# KiCad board pi40_v1.1.kicad_pcb (continued)
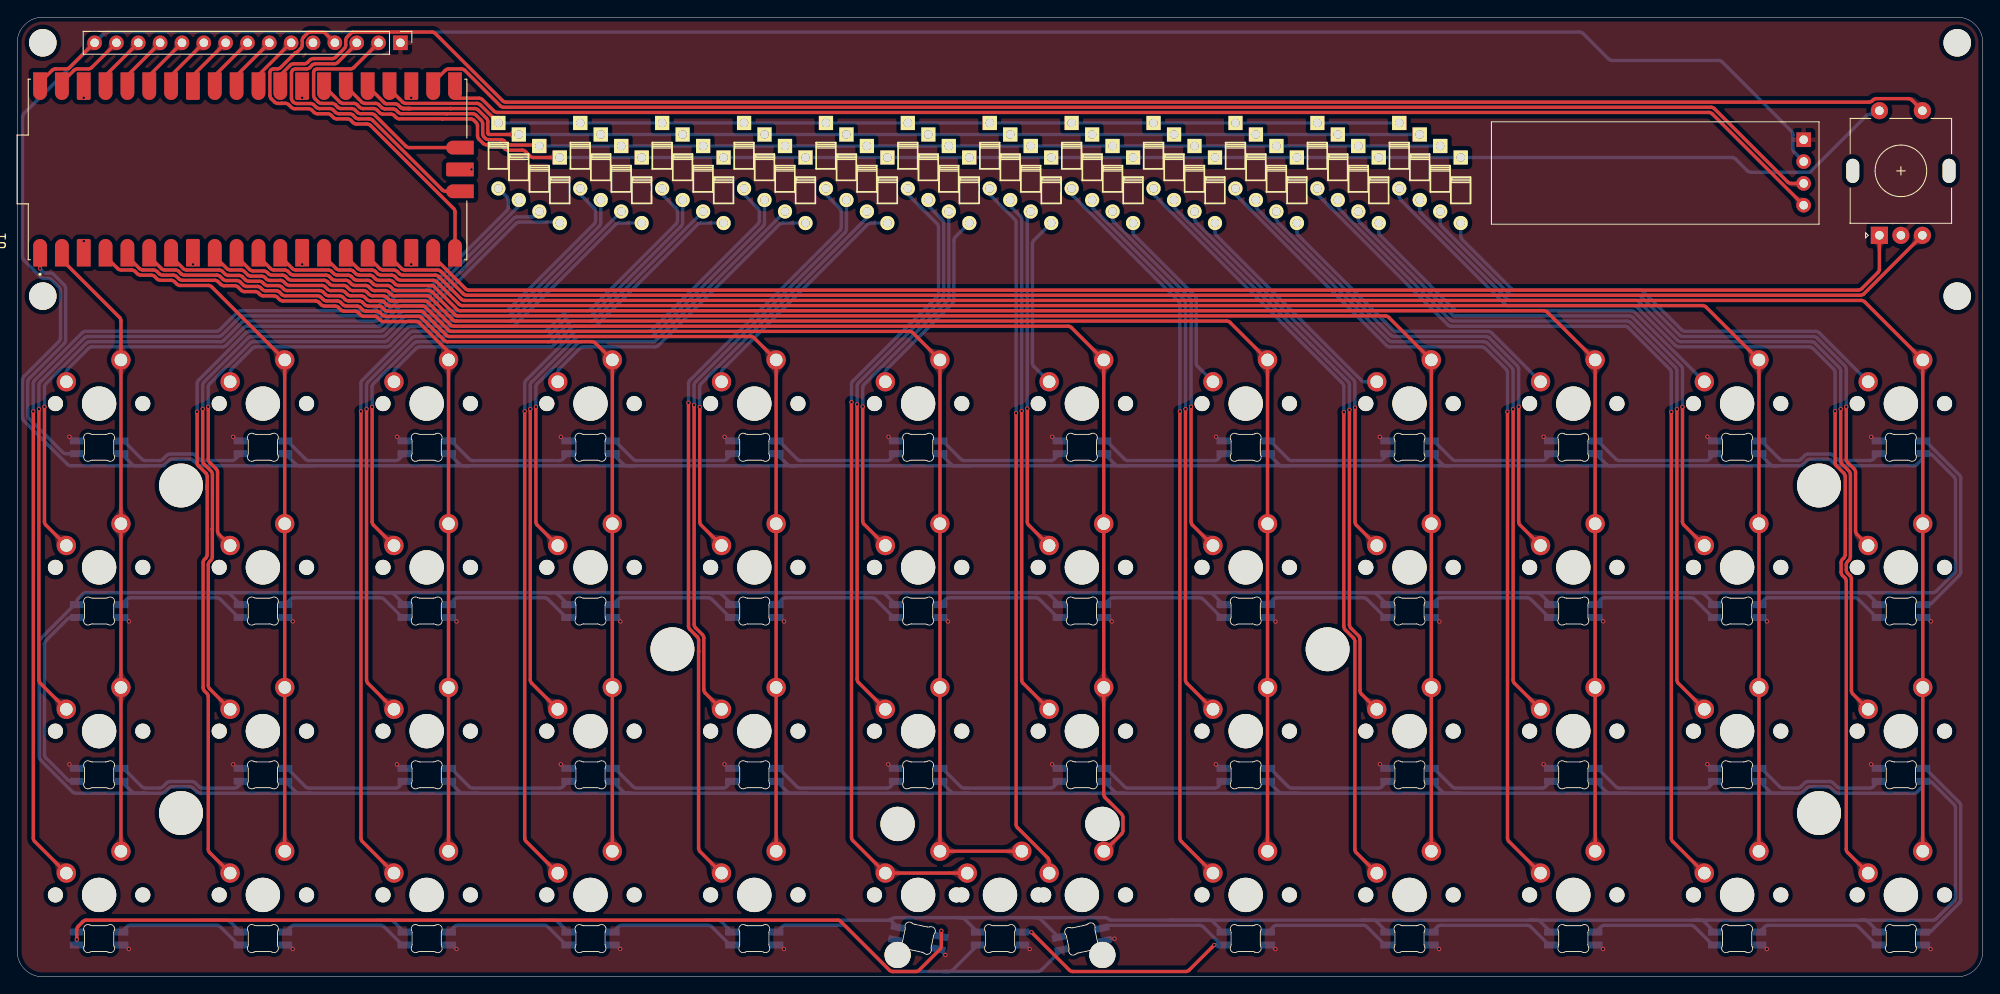
[diagram p0: board, top side]
## Routing (per net, layer and track width the routed paths; a pad name or vN(x,y) marks a point on that pad's centre or on a via; arc(x,y) is an arc through that point) (continued)
C0: length 71.6
  Top w0.4: 5.2,83.41 11.91,76.7 arc(12.02,76.52) 12.06,76.32 K1.2 K13.2 K25.2 K37.2
C1: length 82.8
  Top w0.4: K38.2 K2.2 22.61,80.26 arc(22.44,80.38) 22.23,80.42 18.95,80.42 arc(18.74,80.46) 18.57,80.58 18.29,80.86 arc(18.11,80.97) 17.9,81.02 16.66,81.02 arc(16.45,81.06) 16.28,81.18 15.99,81.46 arc(15.82,81.57) 15.61,81.62 14.37,81.62 arc(14.16,81.66) 13.98,81.78 13.7,82.06 arc(13.53,82.17) 13.32,82.22 12.08,82.22 arc(11.87,82.26) 11.69,82.37 10.28,83.79
C2: length 98.6
  Top w0.4: K3.2 K39.2 ; 12.82,83.79 14.23,82.37 arc(14.41,82.26) 14.62,82.22 15.86,82.22 arc(16.07,82.17) 16.24,82.06 16.52,81.78 arc(16.7,81.66) 16.91,81.62 18.15,81.62 arc(18.36,81.57) 18.53,81.46 18.82,81.18 arc(18.99,81.06) 19.2,81.02 22.98,81.02 arc(23.19,80.97) 23.37,80.86 23.68,80.55 arc(23.85,80.43) 24.06,80.39 25.3,80.39 arc(25.51,80.35) 25.69,80.23 26.05,79.86 arc(26.23,79.75) 26.44,79.7 27.68,79.7 arc(27.89,79.66) 28.06,79.54 28.24,79.36 arc(28.42,79.25) 28.63,79.2 29.87,79.2 arc(30.08,79.16) 30.25,79.04 30.52,78.78 arc(30.7,78.66) 30.91,78.62 34.69,78.62 arc(34.9,78.58) 35.07,78.46 35.35,78.18 arc(35.53,78.06) 35.74,78.02 36.98,78.02 arc(37.19,77.98) 37.36,77.86 37.65,77.58 arc(37.82,77.46) 38.03,77.42 39.27,77.42 arc(39.48,77.38) 39.66,77.26 39.94,76.98 arc(40.11,76.86) 40.32,76.82 41.56,76.82 arc(41.77,76.78) 41.95,76.66 42.23,76.38 arc(42.41,76.26) 42.61,76.22 46.39,76.22 arc(46.6,76.18) 46.78,76.06 50.16,72.68
C3: length 115.5
  Top w0.4: K40.2 K4.2 67.25,73.72 arc(67.07,73.84) 66.87,73.88 50.03,73.88 arc(49.83,73.92) 49.65,74.04 47.03,76.66 arc(46.85,76.78) 46.64,76.82 42.86,76.82 arc(42.65,76.86) 42.48,76.98 42.2,77.26 arc(42.02,77.38) 41.81,77.42 40.57,77.42 arc(40.36,77.46) 40.19,77.58 39.9,77.86 arc(39.73,77.98) 39.52,78.02 38.28,78.02 arc(38.07,78.06) 37.89,78.18 37.61,78.46 arc(37.44,78.58) 37.23,78.62 35.99,78.62 arc(35.78,78.66) 35.6,78.78 35.32,79.06 arc(35.14,79.18) 34.94,79.22 31.16,79.22 arc(30.95,79.26) 30.77,79.38 30.5,79.64 arc(30.33,79.76) 30.12,79.8 28.88,79.8 arc(28.67,79.85) 28.49,79.96 28.31,80.14 arc(28.13,80.26) 27.93,80.3 26.69,80.3 arc(26.48,80.34) 26.3,80.46 25.94,80.83 arc(25.76,80.95) 25.55,80.99 24.31,80.99 arc(24.1,81.03) 23.92,81.15 23.61,81.46 arc(23.44,81.57) 23.23,81.62 19.45,81.62 arc(19.24,81.66) 19.06,81.78 18.78,82.06 arc(18.61,82.17) 18.4,82.22 17.16,82.22 arc(16.95,82.26) 16.77,82.37 15.36,83.79
C4: length 132
  Top w0.4: K41.2 K5.2 85.7,74.32 arc(85.52,74.44) 85.32,74.48 50.28,74.48 arc(50.08,74.52) 49.9,74.64 47.28,77.26 arc(47.1,77.38) 46.89,77.42 43.11,77.42 arc(42.9,77.46) 42.73,77.58 42.44,77.86 arc(42.27,77.98) 42.06,78.02 40.82,78.02 arc(40.61,78.06) 40.43,78.18 40.15,78.46 arc(39.98,78.58) 39.77,78.62 38.53,78.62 arc(38.32,78.66) 38.14,78.78 37.86,79.06 arc(37.68,79.18) 37.48,79.22 36.24,79.22 arc(36.03,79.26) 35.85,79.38 35.57,79.66 arc(35.39,79.78) 35.18,79.82 31.4,79.82 arc(31.2,79.86) 31.02,79.98 30.75,80.24 arc(30.57,80.36) 30.37,80.4 29.13,80.4 arc(28.92,80.44) 28.74,80.56 28.56,80.74 arc(28.38,80.86) 28.17,80.9 26.93,80.9 arc(26.73,80.94) 26.55,81.06 26.18,81.43 arc(26.01,81.55) 25.8,81.59 24.56,81.59 arc(24.35,81.63) 24.17,81.75 23.86,82.06 arc(23.69,82.17) 23.48,82.22 19.7,82.22 arc(19.49,82.26) 19.31,82.37 17.9,83.79
C5: length 155.6
  Top w0.4: K49.2 K42.2 K6.2 104.15,74.92 arc(103.97,75.04) 103.77,75.08 50.53,75.08 arc(50.32,75.12) 50.15,75.24 47.52,77.86 arc(47.35,77.98) 47.14,78.02 43.36,78.02 arc(43.15,78.06) 42.97,78.18 42.69,78.46 arc(42.52,78.58) 42.31,78.62 41.07,78.62 arc(40.86,78.66) 40.68,78.78 40.4,79.06 arc(40.22,79.18) 40.02,79.22 38.78,79.22 arc(38.57,79.26) 38.39,79.38 38.11,79.66 arc(37.93,79.78) 37.72,79.82 36.48,79.82 arc(36.28,79.86) 36.1,79.98 35.82,80.26 arc(35.64,80.38) 35.43,80.42 31.65,80.42 arc(31.44,80.46) 31.27,80.58 31,80.84 arc(30.82,80.96) 30.61,81 29.37,81 arc(29.17,81.04) 28.99,81.16 28.81,81.34 arc(28.63,81.46) 28.42,81.5 27.18,81.5 arc(26.97,81.54) 26.8,81.66 26.4,82.06 arc(26.23,82.17) 26.02,82.22 24.78,82.22 arc(24.57,82.26) 24.39,82.37 22.98,83.79
C6: length 164.4
  Top w0.4: 25.52,83.79 27.05,82.26 arc(27.22,82.14) 27.43,82.1 28.67,82.1 arc(28.88,82.06) 29.06,81.94 29.22,81.78 arc(29.4,81.66) 29.61,81.62 30.85,81.62 arc(31.06,81.57) 31.23,81.46 31.52,81.18 arc(31.69,81.06) 31.9,81.02 35.68,81.02 arc(35.89,80.97) 36.07,80.86 36.35,80.58 arc(36.52,80.46) 36.73,80.42 37.97,80.42 arc(38.18,80.38) 38.36,80.26 38.64,79.98 arc(38.82,79.86) 39.02,79.82 40.26,79.82 arc(40.47,79.78) 40.65,79.66 40.93,79.38 arc(41.11,79.26) 41.32,79.22 42.56,79.22 arc(42.76,79.18) 42.94,79.06 43.22,78.78 arc(43.4,78.66) 43.61,78.62 47.39,78.62 arc(47.6,78.58) 47.77,78.46 50.4,75.84 arc(50.57,75.72) 50.78,75.68 122.22,75.68 arc(122.42,75.64) 122.6,75.52 K7.2 K31.2 126.36,21.23 arc(126.41,21.02) 126.52,20.85 128.44,18.93 arc(128.56,18.75) 128.6,18.55 128.6,17.01 arc(128.56,16.81) 128.44,16.63 126.41,14.6
C7: length 179.2
  Top w0.4: 28.06,83.79 29.47,82.37 arc(29.65,82.26) 29.86,82.22 31.1,82.22 arc(31.31,82.17) 31.48,82.06 31.76,81.78 arc(31.94,81.66) 32.15,81.62 35.93,81.62 arc(36.14,81.57) 36.31,81.46 36.6,81.18 arc(36.77,81.06) 36.98,81.02 38.22,81.02 arc(38.43,80.97) 38.61,80.86 38.89,80.58 arc(39.06,80.46) 39.27,80.42 40.51,80.42 arc(40.72,80.38) 40.9,80.26 41.18,79.98 arc(41.36,79.86) 41.56,79.82 42.8,79.82 arc(43.01,79.78) 43.19,79.66 43.47,79.38 arc(43.65,79.26) 43.86,79.22 47.64,79.22 arc(47.84,79.18) 48.02,79.06 50.64,76.44 arc(50.82,76.32) 51.03,76.28 140.67,76.28 arc(140.87,76.24) 141.05,76.12 K8.2 K44.2
C8: length 195.7
  Top w0.4: 30.6,83.79 32.01,82.37 arc(32.19,82.26) 32.4,82.22 36.18,82.22 arc(36.39,82.17) 36.56,82.06 36.84,81.78 arc(37.02,81.66) 37.23,81.62 38.47,81.62 arc(38.68,81.57) 38.85,81.46 39.14,81.18 arc(39.31,81.06) 39.52,81.02 40.76,81.02 arc(40.97,80.97) 41.15,80.86 41.43,80.58 arc(41.6,80.46) 41.81,80.42 43.05,80.42 arc(43.26,80.38) 43.44,80.26 43.72,79.98 arc(43.9,79.86) 44.1,79.82 47.88,79.82 arc(48.09,79.78) 48.27,79.66 50.89,77.04 arc(51.07,76.92) 51.28,76.88 159.12,76.88 arc(159.32,76.83) 159.5,76.72 K9.2 K45.2
C9: length 209.7
  Top w0.4: 35.68,83.79 37.09,82.37 arc(37.27,82.26) 37.48,82.22 38.72,82.22 arc(38.93,82.17) 39.1,82.06 39.38,81.78 arc(39.56,81.66) 39.77,81.62 41.01,81.62 arc(41.22,81.57) 41.39,81.46 41.68,81.18 arc(41.85,81.06) 42.06,81.02 43.3,81.02 arc(43.51,80.97) 43.69,80.86 43.97,80.58 arc(44.14,80.46) 44.35,80.42 48.13,80.42 arc(48.34,80.38) 48.52,80.26 51.14,77.64 arc(51.32,77.52) 51.52,77.48 177.57,77.48 arc(177.78,77.43) 177.95,77.32 K10.2 K46.2
C10: length 226.3
  Top w0.4: K47.2 K11.2 196.4,77.92 arc(196.23,78.03) 196.02,78.08 51.77,78.08 arc(51.57,78.12) 51.39,78.23 48.77,80.86 arc(48.59,80.97) 48.38,81.02 44.6,81.02 arc(44.39,81.06) 44.22,81.18 43.93,81.46 arc(43.76,81.57) 43.55,81.62 42.31,81.62 arc(42.1,81.66) 41.92,81.78 41.64,82.06 arc(41.47,82.17) 41.26,82.22 40.02,82.22 arc(39.81,82.26) 39.63,82.37 38.22,83.79
C11: length 242.8
  Top w0.4: 40.76,83.79 42.17,82.37 arc(42.35,82.26) 42.56,82.22 43.8,82.22 arc(44.01,82.17) 44.18,82.06 44.46,81.78 arc(44.64,81.66) 44.85,81.62 48.63,81.62 arc(48.84,81.57) 49.01,81.46 51.64,78.83 arc(51.81,78.72) 52.02,78.67 214.47,78.67 arc(214.68,78.63) 214.85,78.52 K12.2 K48.2
C12: length 197.5
  Top w0.4: 30.6,104.88 31.76,106.04 arc(31.94,106.16) 32.15,106.2 33.39,106.2 arc(33.6,106.25) 33.77,106.36 34.06,106.64 arc(34.23,106.76) 34.44,106.8 36.65,106.8 arc(36.85,106.84) 37.03,106.96 38.05,107.98 arc(38.17,108.16) 38.21,108.36 38.21,108.92 arc(38.25,109.13) 38.37,109.31 38.79,109.73 arc(38.97,109.85) 39.18,109.89 48.23,109.89 arc(48.43,109.85) 48.61,109.73 56.44,101.9 arc(56.62,101.78) 56.83,101.74 215.36,101.74 arc(215.57,101.78) 215.75,101.9 215.83,101.99 arc(216.01,102.11) 216.22,102.15 219.95,102.15 arc(220.16,102.11) 220.33,101.99 SW1.S1
J2: length 31.2
  Top w0.4: J1.2 39.14,105.76 arc(38.97,105.65) 38.76,105.6 34.88,105.6 arc(34.72,105.57) 34.59,105.49 arc(34.51,105.35) 34.47,105.2 34.47,102.52 arc(34.52,102.31) 34.63,102.14 35.02,101.75 arc(35.2,101.63) 35.4,101.59 36.61,101.59 arc(36.82,101.55) 37,101.43 37.28,101.15 arc(37.46,101.03) 37.67,100.99 38.91,100.99 arc(39.11,100.95) 39.29,100.83 39.57,100.55 arc(39.75,100.44) 39.95,100.39 41.2,100.39 arc(41.4,100.35) 41.58,100.23 45.21,96.61 arc(45.38,96.49) 45.59,96.45 U1.D3
J3: length 35.9
  Top w0.4: U1.D1 49.82,91.37 arc(49.61,91.41) 49.44,91.53 41.33,99.64 arc(41.16,99.75) 40.95,99.79 39.71,99.79 arc(39.5,99.84) 39.32,99.95 39.04,100.23 arc(38.87,100.35) 38.66,100.39 37.42,100.39 arc(37.21,100.43) 37.03,100.55 36.75,100.83 arc(36.57,100.95) 36.37,100.99 35.16,100.99 arc(34.95,101.03) 34.77,101.15 34.5,101.42 arc(34.33,101.54) 34.12,101.58 32.52,101.58 arc(32.31,101.62) 32.13,101.74 32.06,101.81 arc(31.94,101.99) 31.9,102.2 31.9,105.14 arc(31.93,105.32) 32.03,105.47 arc(32.19,105.57) 32.37,105.6 33.64,105.6 arc(33.85,105.65) 34.02,105.76 34.3,106.04 arc(34.48,106.16) 34.69,106.2 36.89,106.2 arc(37.1,106.25) 37.28,106.36 39.48,108.57
J4: length 45.1
  Top w0.4: U1.20 50.92,88.98 arc(50.88,89.18) 50.76,89.36 41.08,99.04 arc(40.91,99.15) 40.7,99.19 39.46,99.19 arc(39.25,99.24) 39.07,99.35 38.79,99.63 arc(38.62,99.75) 38.41,99.79 37.17,99.79 arc(36.96,99.83) 36.78,99.95 36.5,100.23 arc(36.33,100.35) 36.12,100.39 34.91,100.39 arc(34.7,100.43) 34.52,100.55 34.25,100.82 arc(34.08,100.94) 33.87,100.98 32.27,100.98 arc(32.06,101.02) 31.88,101.14 31.58,101.44 arc(31.4,101.56) 31.2,101.6 30.77,101.6 arc(30.77,101.6) 30.76,101.6 arc(30.76,101.59) 30.75,101.59 30.32,101.59 arc(30.11,101.63) 29.93,101.75 29.55,102.14 arc(29.43,102.32) 29.39,102.52 29.39,105.19 arc(29.42,105.35) 29.51,105.48 arc(29.64,105.57) 29.8,105.6 30.25,105.6 arc(30.46,105.65) 30.63,105.76 32.33,107.46 arc(32.38,107.49) 32.43,107.5 arc(32.48,107.51) 32.53,107.54 32.99,108.01 arc(33.11,108.18) 33.15,108.39 33.15,108.94 arc(33.2,109.14) 33.31,109.32 33.73,109.73 arc(33.9,109.85) 34.11,109.89 35.47,109.89 arc(35.68,109.85) 35.85,109.73 J1.4
J6: length 5.3
  Top w0.4: 28.06,104.88 31.82,108.64
J7: length 5.4
  Top w0.4: 25.52,104.84 J1.7
J8: length 5.4
  Top w0.4: 22.98,104.84 J1.8
J9: length 5.4
  Top w0.4: 20.44,104.84 J1.9
J10: length 5.4
  Top w0.4: 17.9,104.84 J1.10
J11: length 5.4
  Top w0.4: 15.36,104.84 J1.11
J13: length 5.4
  Top w0.4: 10.28,104.84 J1.13
J14: length 8.2
  Top w0.4: J1.14 8.66,105.76 arc(8.49,105.65) 8.28,105.6 7,105.6 arc(6.79,105.56) 6.61,105.44 5.2,104.03
R0: length 187.9
  Top w0.4: D1.1 60.03,95.3 arc(59.82,95.34) 59.65,95.46 59.11,95.99 arc(58.94,96.11) 58.73,96.15 57.09,96.15 arc(56.88,96.19) 56.71,96.31 56.4,96.62 arc(56.22,96.74) 56.02,96.78 54.58,96.78 arc(54.37,96.82) 54.19,96.94 53.69,97.44 arc(53.58,97.61) 53.53,97.82 53.53,98.98 arc(53.49,99.19) 53.38,99.37 53.11,99.64 arc(52.93,99.75) 52.72,99.79 49.43,99.79 arc(49.43,99.79) 49.43,99.8 arc(49.43,99.8) 49.43,99.8 44.45,99.8 arc(44.25,99.84) 44.07,99.96 43.83,100.19 arc(43.66,100.31) 43.45,100.35 42.54,100.35 arc(42.33,100.39) 42.15,100.51 41.83,100.83 arc(41.65,100.95) 41.44,100.99 40.2,100.99 arc(39.99,101.03) 39.82,101.15 39.54,101.43 arc(39.36,101.55) 39.15,101.59 37.91,101.59 arc(37.71,101.63) 37.53,101.75 U1.27
  Bottom w0.4: D1.1 D12.1 199.45,95.3 arc(199.66,95.26) 199.84,95.14 201.24,93.74 arc(201.42,93.62) 201.62,93.58 208.25,93.58 arc(208.46,93.62) 208.63,93.74 215.05,100.15 arc(215.22,100.27) 215.43,100.31 216.14,100.31
R1: length 130
  Top w0.4: U1.26 40.07,101.75 arc(40.24,101.63) 40.45,101.59 41.69,101.59 arc(41.9,101.55) 42.08,101.43 42.4,101.11 arc(42.58,100.99) 42.79,100.95 43.7,100.95 arc(43.91,100.91) 44.08,100.79 44.32,100.56 arc(44.49,100.44) 44.7,100.4 49.95,100.4 arc(49.95,100.4) 49.95,100.4 arc(49.95,100.39) 49.95,100.39 52.97,100.39 arc(53.18,100.35) 53.36,100.23 53.98,99.62 arc(54.09,99.44) 54.13,99.23 54.13,98.07 arc(54.18,97.86) 54.29,97.68 54.44,97.54 arc(54.62,97.42) 54.83,97.38 56.26,97.38 arc(56.47,97.34) 56.65,97.22 56.96,96.91 arc(57.13,96.79) 57.34,96.75 59.88,96.75
  Bottom w0.4: D13.1 D24.1
R2: length 126.9
  Top w0.4: D25.1 54.93,97.98 arc(54.85,97.99) 54.79,98.03 arc(54.75,98.1) 54.73,98.17 54.73,99.48 arc(54.69,99.69) 54.57,99.86 53.6,100.83 arc(53.43,100.95) 53.22,100.99 50.42,100.99 arc(50.42,100.99) 50.42,100.99 arc(50.42,101) 50.42,101 45.76,101 ; 45.54,101 44.84,101 ; 45.54,101 45.76,101 ; 45.54,101 44.95,101 ; 45.54,101 45.76,101 ; U1.25 42.76,101.6 arc(42.82,101.56) 42.88,101.55 43.95,101.55 arc(44.16,101.51) 44.33,101.39 44.57,101.16 ; 44.84,101 arc(44.71,101.04) 44.57,101.16 ; 44.84,101 arc(44.9,101) 44.95,101 ; 44.95,101 arc(44.74,101.04) 44.57,101.16
  Bottom w0.4: D36.1 D25.1
R3: length 119
  Top w0.4: 43.3,103.27 44.81,101.75 arc(44.99,101.64) 45.2,101.6 53.47,101.6 arc(53.67,101.55) 53.85,101.44 55.96,99.33
  Bottom w0.4: D48.1 D37.1
REa: length 174.8
  Top w0.4: 48.38,83.79 52.13,80.03 arc(52.31,79.92) 52.52,79.87 214.13,79.87 arc(214.33,79.92) 214.51,80.03 216.41,81.94 arc(216.53,82.11) 216.57,82.32 SW1.A
REb: length 182.9
  Top w0.4: 43.3,83.79 44.71,82.37 arc(44.89,82.26) 45.1,82.22 48.88,82.22 arc(49.09,82.17) 49.26,82.06 51.89,79.43 arc(52.06,79.32) 52.27,79.27 214.37,79.27 arc(214.58,79.32) 214.76,79.43 SW1.B
RGB: length 30
  Top w0.4: v1(2.66,82.4) 2.66,84.22
  Bottom w0.4: D49.4 5.68,60.84 arc(5.48,60.89) 5.3,61 1.38,64.92 arc(1.26,65.1) 1.22,65.31 1.22,69.2 arc(1.26,69.4) 1.38,69.58 5.47,73.67 arc(5.59,73.85) 5.63,74.05 5.63,80.08 arc(5.59,80.29) 5.47,80.46 4.23,81.7 arc(4.06,81.82) 3.85,81.86 3.35,81.86 arc(3.14,81.9) 2.97,82.02 2.68,82.3 arc(2.66,82.33) 2.66,82.36 v1(2.66,82.4)
SCL: length 165.4
  Top w0.4: 48.38,104.03 49.79,105.44 arc(49.97,105.56) 50.18,105.6 51.67,105.6 arc(51.87,105.56) 52.05,105.44 56.2,101.3 arc(56.37,101.18) 56.58,101.14 196.99,101.14 arc(197.2,101.1) 197.38,100.98 205.91,92.45 arc(206.09,92.33) 206.3,92.29 J2.3
SDA: length 162
  Top w0.4: J2.4 197.13,100.38 arc(196.95,100.5) 196.74,100.54 55.82,100.54 arc(55.61,100.58) 55.43,100.7 54.1,102.04 arc(53.92,102.15) 53.71,102.19 51.06,102.19 arc(51.01,102.21) 50.96,102.24 50.92,102.28
Net-(D1-Pad2): length 65.3
  Bottom w0.4: K1.1 5.71,70.3 arc(5.76,70.51) 5.87,70.68 8.31,73.12 arc(8.49,73.24) 8.7,73.28 23.9,73.28 arc(24.11,73.32) 24.29,73.44 26.37,75.52 arc(26.54,75.64) 26.75,75.68 41.96,75.68 arc(42.17,75.72) 42.35,75.84 44.42,77.92 arc(44.6,78.03) 44.81,78.08 48.23,78.08 arc(48.44,78.12) 48.61,78.23 58.01,87.63 arc(58.19,87.75) 58.4,87.79 62.73,87.79
Net-(D2-Pad2): length 56.1
  Bottom w0.4: K2.1 24.76,70.3 arc(24.81,70.51) 24.92,70.68 27.36,73.12 arc(27.54,73.24) 27.75,73.28 42.95,73.28 arc(43.16,73.32) 43.34,73.44 45.42,75.52 arc(45.59,75.64) 45.8,75.68 57.53,75.68 arc(57.74,75.72) 57.91,75.84 69.6,87.52 arc(69.77,87.64) 69.98,87.68 D2.2
Net-(D3-Pad2): length 46.6
  Bottom w0.4: K3.1 43.81,70.3 arc(43.86,70.51) 43.97,70.68 46.41,73.12 arc(46.59,73.24) 46.8,73.28 62,73.28 arc(62.21,73.32) 62.39,73.44 64.47,75.52 arc(64.64,75.64) 64.85,75.68 67.05,75.68 arc(67.26,75.72) 67.44,75.84 79.12,87.52 arc(79.3,87.64) 79.51,87.68 D3.2
Net-(D4-Pad2): length 37.1
  Bottom w0.4: D4.2 89.03,87.68 arc(88.82,87.64) 88.65,87.52 74.56,73.44 arc(74.39,73.32) 74.18,73.28 65.85,73.28 arc(65.64,73.24) 65.46,73.12 63.02,70.68 arc(62.91,70.51) 62.86,70.3 K4.1
Net-(D5-Pad2): length 27.7
  Bottom w0.4: K5.1 81.91,70.3 arc(81.96,70.51) 82.07,70.68 98.91,87.52 arc(99.09,87.64) 99.3,87.68 D5.2
Net-(D6-Pad2): length 22.4
  Bottom w0.4: D6.2 109.1,86.06 arc(108.99,85.88) 108.95,85.67 108.95,78.73 arc(108.9,78.52) 108.79,78.34 101.12,70.68 arc(101.01,70.51) 100.96,70.3 K6.1
Net-(D7-Pad2): length 20.1
  Bottom w0.4: K7.1 118.23,71 arc(118.11,71.18) 118.07,71.38 118.07,85.27 arc(118.11,85.48) 118.23,85.65 D7.2
Net-(D8-Pad2): length 22.2
  Bottom w0.4: K8.1 137.28,71 arc(137.16,71.18) 137.12,71.38 137.12,78.84 arc(137.08,79.05) 136.96,79.22 129.94,86.25 arc(129.82,86.42) 129.78,86.63 D8.2
Net-(D9-Pad2): length 27.2
  Bottom w0.4: K9.1 156.72,69.21 arc(156.51,69.26) 156.33,69.37 139.46,86.25 arc(139.34,86.42) 139.3,86.63 D9.2
Net-(D10-Pad2): length 36.7
  Bottom w0.4: K10.1 171.46,74.92 arc(171.28,75.04) 171.08,75.08 160.38,75.08 arc(160.17,75.12) 160,75.24 148.99,86.25 arc(148.87,86.42) 148.83,86.63 D10.2
Net-(D11-Pad2): length 46.2
  Bottom w0.4: D11.2 158.35,86.63 arc(158.39,86.42) 158.51,86.25 167.12,77.64 arc(167.3,77.52) 167.51,77.48 187.73,77.48 arc(187.94,77.43) 188.11,77.32 K11.1
Net-(D12-Pad2): length 55.9
  Bottom w0.4: K12.1 209.56,74.92 arc(209.38,75.04) 209.17,75.08 193.97,75.08 arc(193.76,75.12) 193.58,75.24 189.11,79.71 arc(188.93,79.83) 188.72,79.87 174.16,79.87 arc(173.95,79.92) 173.77,80.03 168.04,85.77 arc(167.92,85.95) 167.88,86.15 D12.2
Net-(D13-Pad2): length 85.4
  Top w0.4: v1(3.17,66.3) 3.17,52.93 arc(3.21,52.73) 3.33,52.55 K13.1
  Bottom w0.4: D13.2 60.26,88.55 arc(60.08,88.43) 59.87,88.39 58.15,88.39 arc(57.94,88.35) 57.76,88.23 48.36,78.83 arc(48.19,78.72) 47.98,78.67 44.56,78.67 arc(44.35,78.63) 44.17,78.52 42.09,76.44 arc(41.92,76.32) 41.71,76.28 26.5,76.28 arc(26.3,76.24) 26.12,76.12 24.04,74.04 arc(23.86,73.92) 23.66,73.88 8.45,73.88 arc(8.24,73.84) 8.06,73.72 3.33,68.99 arc(3.21,68.81) 3.17,68.6 v1(3.17,66.3)
Net-(D14-Pad2): length 75.9
  Top w0.4: v1(22.22,66.31) 22.22,60.22 arc(22.26,60.02) 22.38,59.84 23.14,59.08 arc(23.26,58.9) 23.3,58.69 23.3,51.85 arc(23.34,51.65) 23.46,51.47 K14.1
  Bottom w0.4: D14.2 57.66,76.44 arc(57.49,76.32) 57.28,76.28 45.55,76.28 arc(45.35,76.24) 45.17,76.12 43.09,74.04 arc(42.91,73.92) 42.71,73.88 27.5,73.88 arc(27.29,73.84) 27.11,73.72 22.38,68.99 arc(22.26,68.81) 22.22,68.6 v1(22.22,66.31)
Net-(D15-Pad2): length 66.4
  Top w0.4: v1(41.28,66.29) 41.28,52.93 arc(41.32,52.72) 41.44,52.54 K15.1
  Bottom w0.4: D15.2 67.19,76.44 arc(67.01,76.32) 66.8,76.28 64.6,76.28 arc(64.4,76.24) 64.22,76.12 62.14,74.04 arc(61.96,73.92) 61.76,73.88 46.55,73.88 arc(46.34,73.84) 46.16,73.72 41.43,68.99 arc(41.31,68.81) 41.27,68.6 41.27,66.3 arc(41.27,66.3) 41.27,66.29 v1(41.28,66.29)
Net-(D16-Pad2): length 57
  Top w0.4: v1(60.32,66.3) 60.32,52.93 arc(60.36,52.73) 60.48,52.55 K16.1
  Bottom w0.4: D16.2 74.32,74.04 arc(74.14,73.92) 73.93,73.88 65.6,73.88 arc(65.39,73.84) 65.21,73.72 60.48,68.99 arc(60.36,68.81) 60.32,68.6 v1(60.32,66.3)
Net-(D17-Pad2): length 47.9
  Top w0.4: K17.1 79.54,52.54 arc(79.42,52.72) 79.38,52.93 v1(79.38,66.27)
  Bottom w0.4: v1(79.38,66.27) 79.37,66.27 arc(79.37,66.28) 79.37,66.28 79.37,68.6 arc(79.41,68.81) 79.53,68.99 98.66,88.12 arc(98.78,88.29) 98.82,88.5 D17.2
Net-(D18-Pad2): length 44
  Top w0.4: K18.1 98.49,52.64 arc(98.37,52.82) 98.33,53.02 v1(98.33,66.33)
  Bottom w0.4: D18.2 108.35,78.98 arc(108.3,78.77) 108.19,78.59 98.49,68.89 arc(98.37,68.72) 98.33,68.51 v1(98.33,66.33)
Net-(D19-Pad2): length 39.5
  Top w0.4: v1(117.47,66.09) 117.47,52.93 arc(117.51,52.73) 117.63,52.55 K19.1
  Bottom w0.4: 117.47,88.62 v1(117.47,66.09)
Net-(D20-Pad2): length 43.6
  Top w0.4: K20.1 136.68,52.55 arc(136.56,52.73) 136.52,52.93 v1(136.52,66.31)
  Bottom w0.4: D20.2 127.4,88.16 arc(127.44,87.96) 127.56,87.78 136.36,78.97 arc(136.48,78.8) 136.52,78.59 v1(136.52,66.31)
Net-(D21-Pad2): length 48
  Top w0.4: K21.1 155.75,52.53 arc(155.63,52.71) 155.59,52.92 v1(155.59,66.21)
  Bottom w0.4: v1(155.59,66.21) 155.58,66.22 arc(155.57,66.23) 155.57,66.24 155.57,69.07 arc(155.53,69.27) 155.41,69.45 137.08,87.78 arc(136.96,87.96) 136.92,88.16 136.92,88.9 136.92,88.33
Net-(D22-Pad2): length 58
  Top w0.4: K22.1 174.78,52.55 arc(174.66,52.73) 174.62,52.93 v1(174.62,66.31)
  Bottom w0.4: D22.2 146.45,88.16 arc(146.49,87.96) 146.61,87.78 159.75,74.64 arc(159.92,74.52) 160.13,74.48 170.83,74.48 arc(171.04,74.44) 171.21,74.32 174.46,71.07 arc(174.58,70.89) 174.62,70.69 v1(174.62,66.31)
Net-(D23-Pad2): length 68
  Top w0.4: v1(193.67,66.3) 193.67,52.93 arc(193.71,52.73) 193.83,52.55 K23.1
  Bottom w0.4: v1(193.67,66.3) 193.67,70.69 arc(193.63,70.89) 193.51,71.07 187.86,76.72 arc(187.69,76.83) 187.48,76.88 167.26,76.88 arc(167.05,76.92) 166.87,77.04 156.13,87.78 arc(156.01,87.96) 155.97,88.16 155.97,88.9 155.97,88.33
Net-(D24-Pad2): length 77.2
  Top w0.4: v1(212.72,66.31) 212.72,60.22 arc(212.76,60.01) 212.88,59.83 213.64,59.07 arc(213.76,58.89) 213.8,58.69 213.8,51.85 arc(213.84,51.64) 213.96,51.47 K24.1
  Bottom w0.4: v1(212.72,66.31) 212.72,70.69 arc(212.68,70.89) 212.56,71.07 209.31,74.32 arc(209.13,74.44) 208.93,74.48 193.72,74.48 arc(193.51,74.52) 193.33,74.64 188.86,79.11 arc(188.68,79.23) 188.47,79.27 173.91,79.27 arc(173.7,79.32) 173.52,79.43 165.66,87.3 arc(165.54,87.48) 165.5,87.69 D24.2
Net-(D25-Pad2): length 104.1
  Top w0.4: v1(2.52,66.03) 2.52,34.53 arc(2.56,34.33) 2.68,34.15 K25.1
  Bottom w0.4: v1(2.52,66.03) 2.52,68.8 arc(2.56,69.01) 2.68,69.18 7.82,74.32 arc(7.99,74.44) 8.2,74.48 23.41,74.48 arc(23.62,74.52) 23.79,74.64 25.87,76.72 arc(26.05,76.83) 26.26,76.88 41.46,76.88 arc(41.67,76.92) 41.85,77.04 43.92,79.11 arc(44.1,79.23) 44.31,79.27 47.73,79.27 arc(47.94,79.32) 48.12,79.43 58.18,89.5 arc(58.3,89.68) 58.34,89.88 D25.2
